# Altium PCB AL115v20_pcb.PcbDoc (part 2 of 2)
Units mm, origin at the board's own origin, x right, y up, seen from the top; angles counter-clockwise.
Board outline 108 x 108 mm, 2 copper layers (Top Layer, Bottom Layer); 126 components, 100 nets, 340 pads, 31 vias.
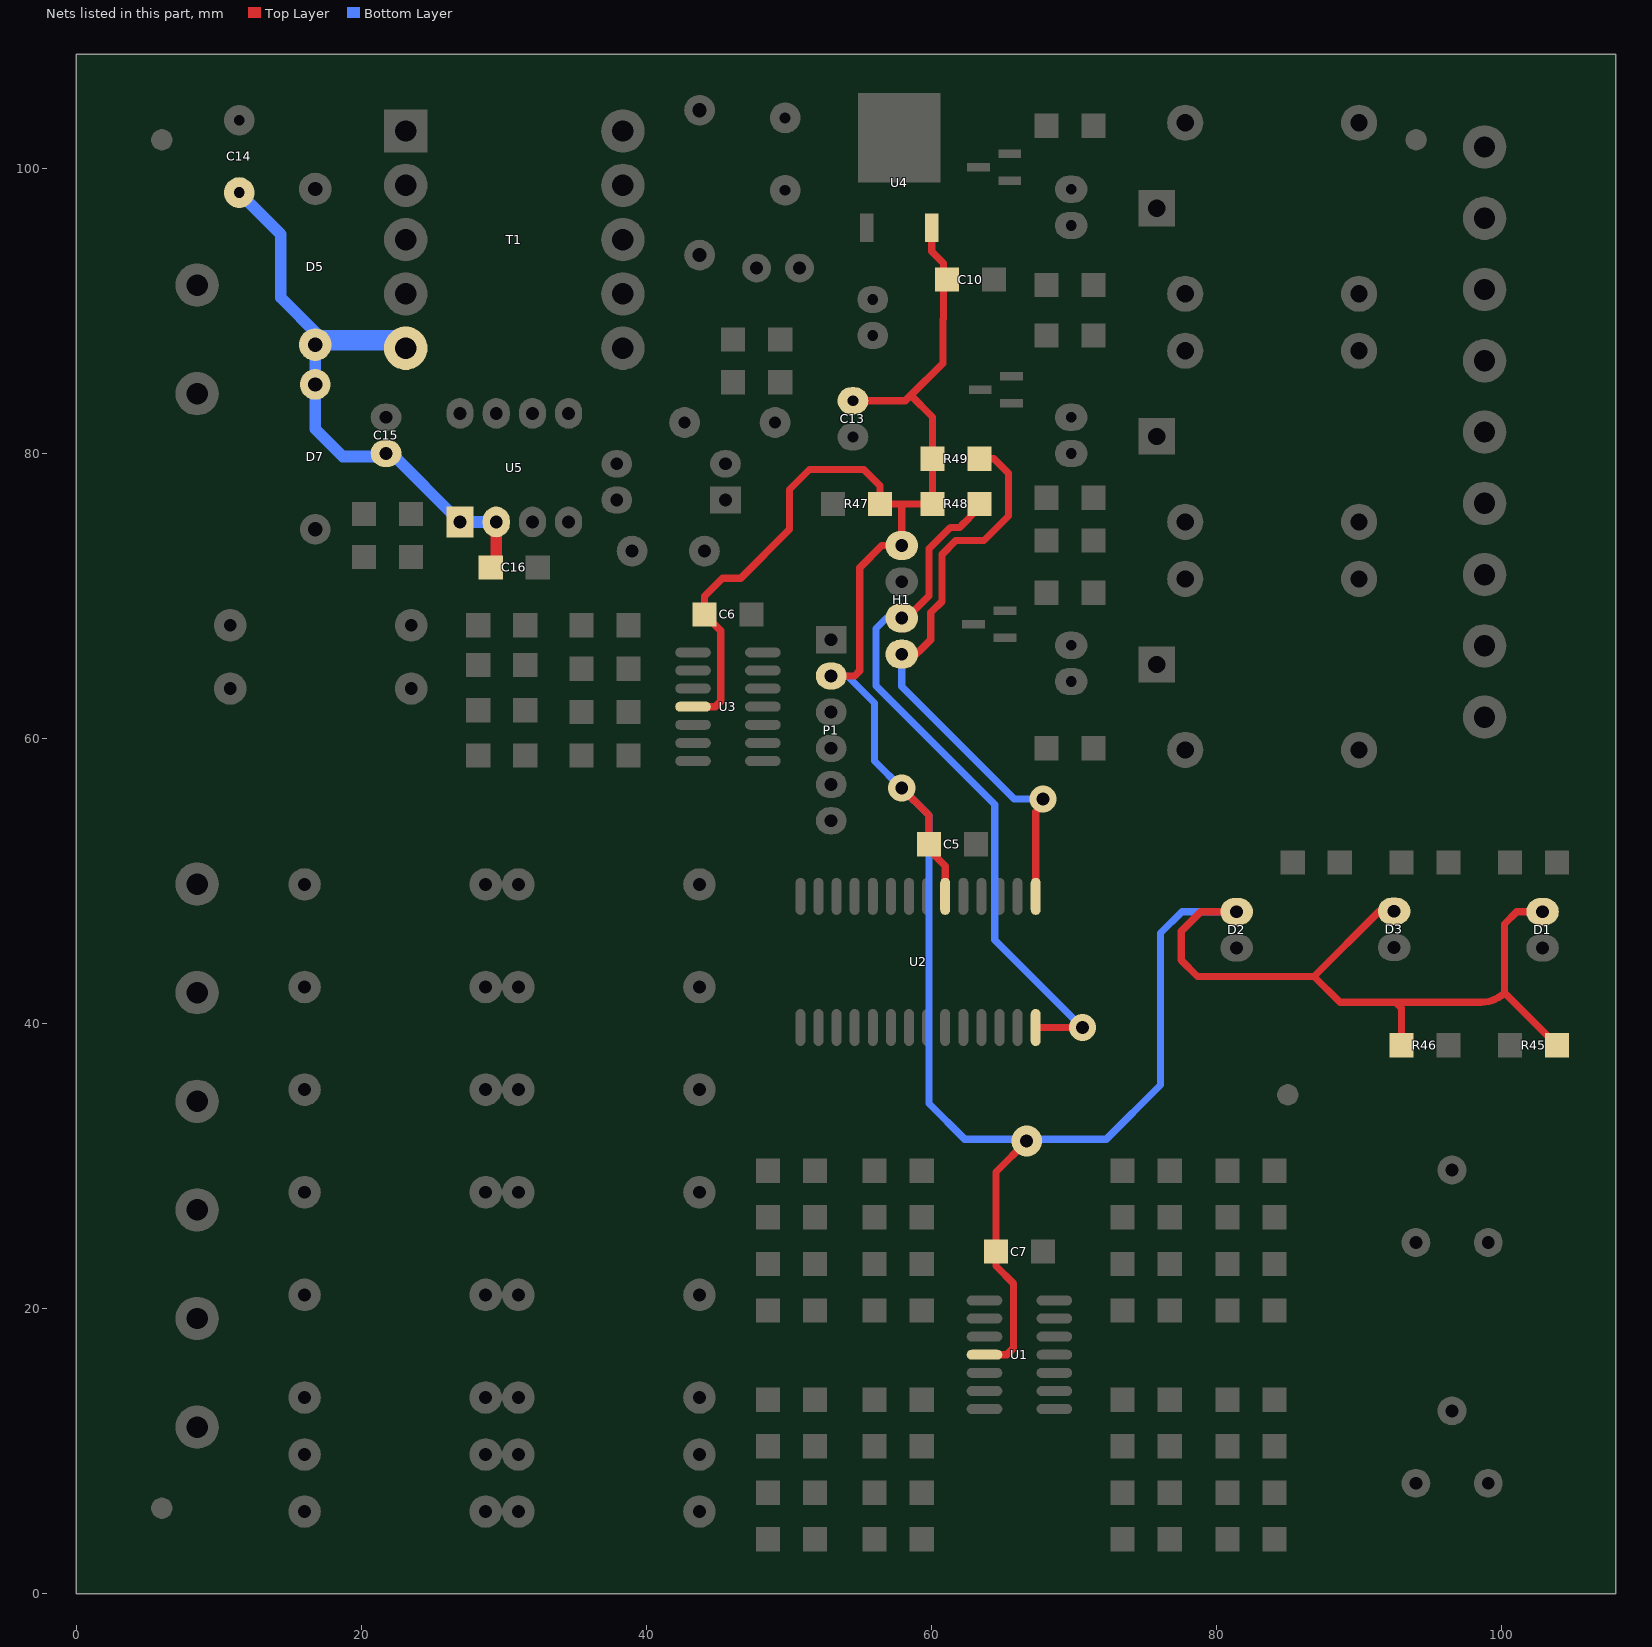
[diagram p2: the nets of this part, all layers, seen from the top]

## Via types
v1: diameter 1.905, hole 0.9, Top Layer to Bottom Layer, 19 vias
v2: diameter 2.159, hole 0.9, Top Layer to Bottom Layer, 12 vias

## Nets (pads, with @x,y where several pads share a name; then routed paths per layer and width w, separated by ;. In a path a pad name is that pad's centre, name@x,y a point inside that pad or via, vN(x,y) a via of type N, cw(c..) or ccw(c..) an arc to the next point about the centre after c; other vN are vias at no path point) (continued)
S: C14.2 C15.2 C16.2 D5.1 D7.1 T1.5 U5.1 U5.2 | length 50.4
  Top Layer w0.813: C16.2@29.08,72 29.46,72.38 U5.2@29.46,75.19
  Bottom Layer w0.813: C14.2@11.298,98.43 C14.2@11.43,98.298 14.351,95.377 14.351,91.095 ccw(c16.891,91.095) 14.357,90.926 17.018,88.265 22.225,88.265 T1.5@23.11,87.38 ccw(c22.506,86.776) 22.506,87.63 D5.1@16.764,87.63 D7.1@16.764,84.836 16.764,81.712 18.694,79.781 21.73,79.781 C15.2@21.73,80 22.11,80 U5.1@26.92,75.19 U5.2@29.46,75.19
SCL: H1.2 R48.2 U2.14 | length 51.1
  Top Layer w0.508: H1.2@58.166,67.691 58.166,68.349 59.83,70.013 59.83,73.31 61.323,74.803 61.963,74.803 ; 62.265,75.105 61.963,74.803 ; R48.2@63.372,76.454 63.372,76.199 61.976,74.803 61.963,74.803 ; U2.14@67.31,39.723 v1(70.584,39.723)
  Bottom Layer w0.508: H1.2@57.912,68.453 56.845,68.453 56.109,67.716 56.109,63.7 64.44,55.369 64.44,45.867 v1(70.584,39.723)
SDA: H1.1 R49.2 U2.15 | length 42.6
  Top Layer w0.508: H1.1@58.166,65.151 59.944,66.929 59.944,68.834 60.744,69.634 60.744,72.931 61.702,73.889 63.678,73.889 65.405,75.616 65.405,78.613 64.389,79.629 R49.2@63.372,79.629 ; U2.15@67.31,48.923 67.31,54.864 67.818,55.372 v1(67.818,55.753)
  Bottom Layer w0.508: H1.1@57.912,65.913 57.912,63.652 65.811,55.753 v1(67.818,55.753)
VCC: C5.2 C6.2 C7.2 C10.2 C13.1 D1.1 D2.1 D3.1 H1.4 P1.2 R45.2 R46.2 R47.1 R48.1 R49.1 U1.4 U2.20 U3.4 U4.3 | length 225.4
  Top Layer w0.508: U3.4@43.27,62.23 44.831,62.23 45.212,62.611 45.212,67.565 C6.2@44.07,68.707 44.07,69.978 45.339,71.247 46.609,71.247 50.038,74.676 50.038,77.47 51.435,78.867 55.245,78.867 56.387,77.725 R47.1@56.387,76.454 57.912,76.454 ; P1.2@52.959,64.389 54.61,64.389 54.966,64.745 54.966,71.984 56.515,73.533 H1.4@57.912,73.533 57.912,76.454 ; C13.1@54.483,83.693 58.166,83.693 58.547,84.074 ; v1(57.912,56.515) 59.818,54.609 C5.2@59.818,52.578 59.818,52.196 60.96,51.054 U2.20@60.96,48.923 ; U4.3@60.015,95.85 60.015,94.163 60.833,93.345 60.833,89.449 60.808,89.424 60.808,86.335 58.547,84.074 ; U1.4@63.717,16.764 65.278,16.764 65.761,17.247 65.761,21.742 64.517,22.986 C7.2@64.517,24 64.517,29.592 v2(66.675,31.75) ; D2.1@81.407,47.848 78.887,47.848 77.521,46.482 77.521,44.45 78.664,43.307 86.843,43.307 ; D3.1@92.456,47.879 91.415,47.879 86.843,43.307 ; R46.2@92.965,38.481 92.965,41.096 92.57,41.491 ; D1.1@102.87,47.848 101.061,47.848 100.203,46.99 100.203,42.164 ; R45.2@103.885,38.481 100.203,42.164 ; 57.912,76.454 R48.1@60.072,76.454 R49.1@60.072,79.629 60.072,82.549 58.547,84.074 ; 86.843,43.307 88.659,41.491 92.57,41.491 ; 92.57,41.491 98.578,41.491 ccw(c98.578,43.789) 100.203,42.164
  Bottom Layer w0.508: P1.2@52.959,64.389 54.102,64.389 56.007,62.484 56.007,58.42 v1(57.912,56.515) 59.817,54.61 59.817,34.384 62.324,31.877 v2@66.802,31.877 ; v2(66.675,31.75) v2@66.802,31.877 ; v2@67.183,32.004 66.929,32.004 v2@66.802,31.877 ; D2.1@81.407,47.848 77.566,47.848 76.073,46.355 76.073,35.687 72.263,31.877 v2@66.802,31.877
pads on no net: FD1. FD2. FD3. FD4. T1.3 T1.6 T1.8 T1.10 U2.6 U2.9 U2.10 U2.11 U2.12
copper on no net: | length 864
  Top Layer w0.254: 0,0 0,108 108,108 108,0 0,0
  Bottom Layer w0.254: 0,0 0,108 108,108 108,0 0,0

## Polygon pours and split planes (outlines as drawn)
AN_EBB on Top Layer "AN_EBB_L01_P208" (solid, remove dead copper, pour order 208): 21 vertices, not listed, extent 67.386,1.905 81.61,4.648
NetR24_1 on Top Layer "NETR24_1_L01_P206" (solid, remove dead copper, pour order 206): 29 vertices, not listed, extent 68.453,3.048 74.193,13.284
NetR24_2 on Top Layer "NETR24_2_L01_P204" (solid, remove dead copper, pour order 204): 36 vertices, not listed, extent 68.617,6.223 77.343,14.529
NetR23_1 on Top Layer "NETR23_1_L01_P202" (solid, remove dead copper, pour order 202): 17 vertices, not listed, extent 76.048,6.248 80.696,10.998
NetR23_1 on Top Layer "NETR23_1_L01_P200" (solid, remove dead copper, pour order 200): 31 vertices, not listed, extent 78.943,1.778 88.697,8.432
NetR31_1 on Top Layer "NETR31_1_L01_P198" (solid, remove dead copper, pour order 198): 34 vertices, not listed, extent 68.199,9.601 81.178,15.799
GND on Top Layer "GND_L01_P196" (solid, remove dead copper, pour order 196): 19 vertices, not listed, extent 83.261,2.997 88.646,14.453
NetR30_2 on Top Layer "NETR30_2_L01_P194" (solid, remove dead copper, pour order 194): 40 vertices, not listed, extent 42.596,0.864 90.043,16.078
AN_EBY on Top Layer "AN_EBY_L01_P192" (solid, remove dead copper, pour order 192): 24 vertices, not listed, extent 51.257,1.854 63.678,4.826
NetR13_1 on Top Layer "NETR13_1_L01_P190" (solid, remove dead copper, pour order 190): 26 vertices, not listed, extent 58.471,3.226 63.551,13.284
NetR12_1 on Top Layer "NETR12_1_L01_P188" (solid, remove dead copper, pour order 188): 77 vertices, not listed, extent 41.453,2.007 56.617,28.169
NetR13_2 on Top Layer "NETR13_2_L01_P186" (solid, remove dead copper, pour order 186): 35 vertices, not listed, extent 55.499,6.299 63.322,14.529
NetR20_1 on Top Layer "NETR20_1_L01_P184" (solid, remove dead copper, pour order 184): 38 vertices, not listed, extent 51.054,9.728 63.717,15.799
GND on Top Layer "GND_L01_P182" (solid, remove dead copper, pour order 182): 21 vertices, not listed, extent 47.676,3.124 55.016,17.196
NetR19_2 on Top Layer "NETR19_2_L01_P180" (solid, remove dead copper, pour order 180): 43 vertices, not listed, extent 43.688,8.661 57.455,18.263
NetR8_2 on Top Layer "NETR8_2_L01_P178" (solid, remove dead copper, pour order 178): 26 vertices, not listed, extent 43.612,13.411 56.363,20.65
NetR9_1 on Top Layer "NETR9_1_L01_P176" (solid, remove dead copper, pour order 176): 63.271,18.313 62.158,18.313 cw(c62.158,20.655) 60.503,18.999 cw(c61.361,19.858) 60.147,19.858 60.147,20.142 ccw(c60.147,18.057) 58.673,19.532 58.649,19.507 ccw(c58.786,19.37) 58.592,19.37 58.592,19.075 58.735,19.075 cw(c58.735,16.647) 60.452,18.364 60.925,17.891 ccw(c61.316,18.281) 61.316,17.729 63.433,17.729 ccw(c63.433,18.076) 63.678,17.831
NetR9_1 on Top Layer "NETR9_1_L01_P174" (solid, remove dead copper, pour order 174): 26 vertices, not listed, extent 51.41,19.075 60.071,23.724
NetR1_1 on Top Layer "NETR1_1_L01_P172" (solid, remove dead copper, pour order 172): 32 vertices, not listed, extent 43.688,22.301 56.286,36.474
NetR2_2 on Top Layer "NETR2_2_L01_P170" (solid, remove dead copper, pour order 170): 37 vertices, not listed, extent 55.423,18.974 63.221,27
NetR2_1 on Top Layer "NETR2_1_L01_P168" (solid, remove dead copper, pour order 168): 28 vertices, not listed, extent 58.496,20.523 64.44,30.124
VCC on Top Layer "VCC_L01_P166" (solid, remove dead copper, pour order 166): 26 vertices, not listed, extent 63.678,16.459 67.462,32.639
GND on Top Layer "GND_L01_P164" (solid, remove dead copper, pour order 164): 23 vertices, not listed, extent 66.421,16.434 69.291,27.965
NetR35_1 on Top Layer "NETR35_1_L01_P162" (solid, remove dead copper, pour order 162): 24 vertices, not listed, extent 68.758,20.269 74.244,30.353
NetR35_2 on Top Layer "NETR35_2_L01_P160" (solid, remove dead copper, pour order 160): 35 vertices, not listed, extent 68.605,18.999 77.216,27.229
NetR42_1 on Top Layer "NETR42_1_L01_P158" (solid, remove dead copper, pour order 158): 35 vertices, not listed, extent 68.605,17.729 81.585,23.952
NetR41_2 on Top Layer "NETR41_2_L01_P156" (solid, remove dead copper, pour order 156): 75.768,17.145 75.768,18.697 cw(c76.375,18.697) 75.946,19.126 ccw(c74.842,20.23) 76.403,20.23 76.403,20.701 81.462,20.701 cw(c81.462,20.528) 81.585,20.65 81.585,19.234 cw(c81.325,19.234) 81.509,19.05 79.366,19.05 ccw(c79.366,17.662) 78.384,18.644 ccw(c79.55,17.478) 77.902,17.478 77.902,17.094 ccw(c77.84,17.033) 77.84,17.12 77.191,17.12
NetR34_1 on Top Layer "NETR34_1_L01_P154" (solid, remove dead copper, pour order 154): 33 vertices, not listed, extent 76.175,22.301 82.702,33.706
AN_DGR_O on Top Layer "AN_DGR_O_L01_P152" (solid, remove dead copper, pour order 152): 26 vertices, not listed, extent 58.115,28.829 81.458,39.268
AN_EBR on Top Layer "AN_EBR_L01_P150" (solid, remove dead copper, pour order 150): 21 vertices, not listed, extent 51.41,28.829 56.921,39.929
AN_EBB on Top Layer "AN_EBB_L01_P148" (solid, remove dead copper, pour order 148): 53.797,34.341 53.797,34.596 cw(c54.838,34.596) 54.102,35.331 ccw(c53.611,35.822) 54.305,35.822 54.305,38.837 cw(c54.673,38.469) 54.673,38.989 54.915,38.989 54.915,36.304 ccw(c56.649,36.304) 55.423,35.077 55.002,34.656 ccw(c55.088,34.569) 54.966,34.569
AN_EBY on Top Layer "AN_EBY_L01_P146" (solid, remove dead copper, pour order 146): 52.629,33.807 52.629,34.405 cw(c54.19,34.405) 53.086,35.509 ccw(c51.737,36.858) 53.645,36.858 53.645,39.298 ccw(c53.471,39.298) 53.594,39.421 53.132,39.421 ccw(c53.132,39.247) 53.01,39.37 53.01,37.039 cw(c51.893,37.039) 52.683,36.249 51.003,34.569 cw(c50.881,34.447) 51.054,34.447 51.054,34.087
SCL on Top Layer "SCL_L01_P144" (solid, remove dead copper, pour order 144): 18 vertices, not listed, extent 67.31,38.786 70.358,40.64
RL_MAINS on Top Layer "RL_MAINS_L01_P142" (solid, remove dead copper, pour order 142): 19 vertices, not listed, extent 65.735,36.525 73.914,39.091
GND on Top Layer "GND_L01_P140" (solid, remove dead copper, pour order 140): 75.235,35.89 ccw(c74.99,35.645) 74.99,35.992 63.167,35.992 cw(c63.167,37.221) 62.298,36.352 cw(c61.613,37.037) 61.613,36.068 61.595,36.068 cw(c61.595,34.903) 62.419,35.727 63.525,34.62 cw(c64.507,33.639) 64.507,35.027 75.184,35.027
GND on Top Layer "GND_L01_P136" (solid, remove dead copper, pour order 136): 56 vertices, not listed, extent 59.36,1.753 97.13,39.723
AN_ADJ_BAT on Top Layer "AN_ADJ_BAT_L01_P134" (solid, remove dead copper, pour order 134): 40 vertices, not listed, extent 53.035,29.489 97.511,49.378
NetR46_1 on Top Layer "NETR46_1_L01_P132" (solid, remove dead copper, pour order 132): 21 vertices, not listed, extent 95.453,23.673 102.032,39.319
AN_ADJ_UV on Top Layer "AN_ADJ_UV_L01_P130" (solid, remove dead copper, pour order 130): 53 vertices, not listed, extent 54.28,12.675 99.593,49.149
NetR45_1 on Top Layer "NETR45_1_L01_P128" (solid, remove dead copper, pour order 128): 21 vertices, not listed, extent 99.009,6.807 104.14,37.694
VCC on Top Layer "VCC_L01_P126" (solid, remove dead copper, pour order 126): 64 vertices, not listed, extent 76.886,37.643 104.724,48.819
NetD1_2 on Top Layer "NETD1_2_L01_P124" (solid, remove dead copper, pour order 124): 20 vertices, not listed, extent 102.768,44.374 105.893,52.146
NetD3_2 on Top Layer "NETD3_2_L01_P122" (solid, remove dead copper, pour order 122): 92.481,46.253 94.224,46.253 ccw(c94.224,47.381) 95.021,46.584 ccw(c94.04,47.565) 95.428,47.565 95.428,50.775 cw(c95.489,50.713) 95.489,50.8 97.079,50.8 97.079,47.026 cw(c94.539,47.026) 96.335,45.23 96.164,45.06 cw(c94.57,46.654) 94.57,44.399 92.456,44.399
NetD2_2 on Top Layer "NETD2_2_L01_P120" (solid, remove dead copper, pour order 120): 81.356,46.228 84.597,46.228 ccw(c84.597,48.768) 86.393,46.972 87.249,47.828 ccw(c85.9,49.177) 87.808,49.177 87.808,50.8 ccw(c87.992,50.984) 87.992,50.724 89.459,50.724 89.459,49.515 cw(c86.919,49.515) 88.715,47.719 86.113,45.118 cw(c84.317,46.914) 84.317,44.374 81.331,44.374
LED_B0 on Top Layer "LED_B0_L01_P118" (solid, remove dead copper, pour order 118): 32 vertices, not listed, extent 59.385,45.441 101.422,54.864
LED_Y0 on Top Layer "LED_Y0_L01_P116" (solid, remove dead copper, pour order 116): 31 vertices, not listed, extent 58.115,44.526 93.777,53.95
LED_R0 on Top Layer "LED_R0_L01_P114" (solid, remove dead copper, pour order 114): 26 vertices, not listed, extent 56.871,43.612 85.369,52.146
GND on Top Layer "GND_L01_P112" (solid, remove dead copper, pour order 112): 28 vertices, not listed, extent 38.557,19.075 49.301,55.677
RL_DG on Top Layer "RL_DG_L01_P110" (solid, remove dead copper, pour order 110): 23 vertices, not listed, extent 63.17,46.355 72.085,54.051
AN_BTSVOLT on Top Layer "AN_BTSVOLT_L01_P108" (solid, remove dead copper, pour order 108): 35 vertices, not listed, extent 41.707,36.601 52.375,56.947
GND on Top Layer "GND_L01_P106" (solid, remove dead copper, pour order 106): 62.535,49.479 62.535,50.94 cw(c63.055,50.94) 62.687,51.308 cw(c63.73,50.266) 63.73,51.74 63.856,51.74 ccw(c62.384,51.74) 63.425,52.78 62.662,53.543 62.299,53.18 cw(c62.255,53.224) 62.255,53.162 62.255,52.393 cw(c61.475,52.393) 62.027,51.841 ccw(c62.149,51.719) 61.976,51.719 61.976,49.892 ccw(c62.236,49.892) 62.052,49.708
SDA on Top Layer "SDA_L01_P104" (solid, remove dead copper, pour order 104): 66.878,55.837 66.878,54.489 ccw(c67.138,54.489) 66.954,54.305 cw(c66.709,54.06) 67.056,54.06 67.056,53.711 cw(c67.264,53.711) 67.117,53.858 67.666,54.407
SDA on Top Layer "SDA_L01_P102" (solid, remove dead copper, pour order 102): 67.056,50.546 67.056,55.122 ccw(c66.883,55.122) 67.005,55.245 cw(c67.312,55.552) 66.878,55.552 66.878,55.88 ccw(c67.001,56.003) 67.001,55.829 68.758,55.829 68.758,55.456 cw(c68.064,55.456) 68.555,54.966 68.359,54.77 ccw(c70.155,52.974) 67.615,52.974 67.615,49.505
RL_BAT2 on Top Layer "RL_BAT2_L01_P100" (solid, remove dead copper, pour order 100): 18 vertices, not listed, extent 65.735,48.692 68.783,60.096
ICSPCLK on Top Layer "ICSPCLK_L01_P098" (solid, remove dead copper, pour order 98): 20 vertices, not listed, extent 50.521,49.632 52.984,57.709
ICSPDAT on Top Layer "ICSPDAT_L01_P096" (solid, remove dead copper, pour order 96): 24 vertices, not listed, extent 49.327,48.133 53.442,59.639
PGM on Top Layer "PGM_L01_P094" (solid, remove dead copper, pour order 94): 56.185,49.352 56.185,52.643 ccw(c54.624,52.643) 55.728,53.746 55.049,54.425 ccw(c53.253,52.629) 53.253,55.169 52.883,55.169 52.883,53.412 ccw(c53.056,53.412) 52.934,53.289 54.246,53.289 cw(c54.246,52.595) 54.737,53.086 54.831,52.992 cw(c53.035,51.196) 55.575,51.196 55.575,48.87
VCC on Top Layer "VCC_L01_P092" (solid, remove dead copper, pour order 92): 22 vertices, not listed, extent 57.252,49.53 61.265,57.48
NetR58_1 on Top Layer "NETR58_1_L01_P090" (solid, remove dead copper, pour order 90): 47 vertices, not listed, extent 22.86,55.753 35.992,64.389
NetR59_1 on Top Layer "NETR59_1_L01_P088" (solid, remove dead copper, pour order 88): 35 vertices, not listed, extent 30.658,56.109 42.799,63.805
NetR52_2 on Top Layer "NETR52_2_L01_P086" (solid, remove dead copper, pour order 86): 17 vertices, not listed, extent 37.897,61.544 42.824,65.761
NetR52_1 on Top Layer "NETR52_1_L01_P084" (solid, remove dead copper, pour order 84): 23 vertices, not listed, extent 35.052,64.059 43.739,68.783
NetR54_2 on Top Layer "NETR54_2_L01_P082" (solid, remove dead copper, pour order 82): 40 vertices, not listed, extent 23.495,61.138 35.458,70.155
GND on Top Layer "GND_L01_P080" (solid, remove dead copper, pour order 80): 17 vertices, not listed, extent 25.019,57.963 29.058,68.275
M\C\L\R\ on Top Layer "M\C\L\R\_L01_P078" (solid, remove dead copper, pour order 78): 54.026,66.015 54.026,67.894 cw(c54.271,68.139) 53.924,68.139 53.924,76.302 52.432,76.302 cw(c52.432,76.562) 52.248,76.378 cw(c51.88,76.01) 52.4,76.01 52.4,68.014 cw(c50.579,68.014) 51.867,66.726 cw(c51.828,66.687) 51.883,66.687 51.883,65.986
M\C\L\R\ on Top Layer "M\C\L\R\_L01_P076" (solid, remove dead copper, pour order 76): 30 vertices, not listed, extent 47.879,40.107 52.603,77.14
VCC on Top Layer "VCC_L01_P074" (solid, remove dead copper, pour order 74): 43.078,61.874 44.481,61.874 ccw(c44.481,63.088) 45.339,62.23 ccw(c44.971,62.598) 45.491,62.598 45.491,67.448 ccw(c44.537,67.448) 45.212,68.123 44.859,67.77 ccw(c44.99,67.64) 44.806,67.64 cw(c44.438,67.272) 44.958,67.272 44.958,62.897 cw(c44.698,62.897) 44.882,62.713 cw(c44.514,63.081) 44.514,62.56 43.891,62.56 ccw(c43.891,62.438) 43.804,62.524 43.637,62.357
GND on Top Layer "GND_L01_P072" (solid, remove dead copper, pour order 72): 29 vertices, not listed, extent 45.999,61.874 49.733,71.806
AN_BTSVOLT on Top Layer "AN_BTSVOLT_L01_P070" (solid, remove dead copper, pour order 70): 34.773,70.764 cw(c33.362,70.764) 34.36,69.767 33.985,69.393 cw(c32.575,70.803) 32.575,68.809 31.75,68.809 31.75,67.94 cw(c30.536,67.94) 31.394,67.081 cw(c31.456,67.02) 31.456,67.107 35.382,67.107 ccw(c35.382,68.027) 36.033,67.376 36.271,67.615 36.271,69.552 cw(c37.052,69.552) 36.5,70.104 36.23,70.374 cw(c36.62,70.764) 36.068,70.764
NetC16_1 on Top Layer "NETC16_1_L01_P068" (solid, remove dead copper, pour order 68): 31.547,71.628 31.547,73.726 ccw(c30.419,73.726) 31.217,74.524 ccw(c31.094,74.646) 31.267,74.646 31.267,75.133 32.576,75.133 ccw(c32.576,75.654) 32.944,75.286 32.944,73.522 ccw(c33.898,73.522) 33.223,72.847 33.161,72.785 ccw(c33.377,72.568) 33.071,72.568
S on Top Layer "S_L01_P066" (solid, remove dead copper, pour order 66): 28.245,72.187 ccw(c26.466,72.187) 27.724,73.444 27.686,73.482 ccw(c26.153,71.949) 26.153,74.117 25.984,74.117 25.984,76.215 cw(c26.071,76.215) 26.01,76.276 29.447,76.276 cw(c29.447,75.929) 29.693,76.175 29.693,74.701 ccw(c30.254,74.14) 29.46,74.14 29.46,72.38
S on Top Layer "S_L01_P064" (solid, remove dead copper, pour order 64): 28.524,75.286 28.524,73.916 cw(c28.091,73.916) 28.397,73.609 ccw(c28.765,73.241) 28.245,73.241 28.245,72.542 29.86,72.542 ccw(c29.86,72.629) 29.921,72.568 29.921,73.691 cw(c31.135,73.691) 30.277,74.549
NetD6_2 on Top Layer "NETD6_2_L01_P062" (solid, remove dead copper, pour order 62): 19.38,73.584 19.921,73.584 ccw(c19.921,75.405) 21.209,74.117 22.039,74.947 ccw(c20.608,76.378) 22.631,76.378 22.65,76.359 ccw(c23.647,77.356) 23.647,75.946 23.647,74.905 ccw(c23.647,72.636) 22.043,74.24 21.67,73.867 ccw(c23.275,72.263) 21.006,72.263 ccw(c20.638,71.895) 20.638,72.415 20.091,72.415
NetC15_1 on Top Layer "NETC15_1_L01_P060" (solid, remove dead copper, pour order 60): 35 vertices, not listed, extent 21.666,72.034 35.458,83.464
NetD6_1 on Top Layer "NETD6_1_L01_P058" (solid, remove dead copper, pour order 58): 28 vertices, not listed, extent 18.11,75.159 23.114,92.431
NetR63_1 on Top Layer "NETR63_1_L01_P056" (solid, remove dead copper, pour order 56): 37 vertices, not listed, extent 43.205,75.768 46.152,88.849
NetD8_2 on Top Layer "NETD8_2_L01_P054" (solid, remove dead copper, pour order 54): 20 vertices, not listed, extent 44.78,78.359 50.114,85.496
NetC11_1 on Top Layer "NETC11_1_L01_P052" (solid, remove dead copper, pour order 52): 46.736,93.066 46.736,92.248 ccw(c47.95,92.248) 47.092,91.389 47.795,90.685 cw(c45.999,88.889) 48.539,88.889 48.539,84.557 cw(c49.153,83.943) 49.153,84.811 50.216,84.811 50.216,88.618 ccw(c48.308,88.618) 49.657,89.967 49.487,90.137 cw(c51.283,91.933) 48.743,91.933 48.743,93.04 cw(c48.646,93.137) 48.646,93 47.73,93
NetD13_1 on Top Layer "NETD13_1_L01_P050" (solid, remove dead copper, pour order 50): 19 vertices, not listed, extent 69.596,59.233 72.415,67.462
RL_BAT on Top Layer "RL_BAT_L01_P048" (solid, remove dead copper, pour order 48): 37 vertices, not listed, extent 64.465,57.328 72.212,70.46
NetQ3_1 on Top Layer "NETQ3_1_L01_P046" (solid, remove dead copper, pour order 46): 64.389,67.335 65.389,67.335 ccw(c65.389,68.723) 66.37,67.742 66.49,67.861 ccw(c64.694,69.658) 67.234,69.658 67.234,69.901 cw(c68.215,68.92) 68.215,70.307 68.91,70.307 68.91,69.466 cw(c68.303,69.466) 68.732,69.037 66.623,66.928 cw(c66.197,67.354) 66.197,66.751 64.833,66.751 cw(c64.833,67.272) 64.465,66.904
RL_DG on Top Layer "RL_DG_L01_P044" (solid, remove dead copper, pour order 44): 62.408,71.323 ccw(c62.408,72.243) 63.058,71.593 66.795,75.329 cw(c68.591,73.533) 68.591,76.073 68.783,76.073 ccw(c67.005,76.073) 68.262,77.33 67.97,77.622 cw(c67.664,77.929) 67.664,77.495 67.234,77.495 67.234,77.403 cw(c65.066,77.403) 66.599,75.87 64.676,73.947 cw(c62.88,75.743) 62.88,73.203 62.357,73.203
NetD14_1 on Top Layer "NETD14_1_L01_P042" (solid, remove dead copper, pour order 42): 37 vertices, not listed, extent 64.516,57.937 77.902,74.371
NetD14_1 on Top Layer "NETD14_1_L01_P040" (solid, remove dead copper, pour order 40): 18 vertices, not listed, extent 62.154,62.941 64.084,68.072
NetD12_1 on Top Layer "NETD12_1_L01_P038" (solid, remove dead copper, pour order 38): 19 vertices, not listed, extent 69.799,76.048 72.288,83.49
NetD12_2 on Top Layer "NETD12_2_L01_P036" (solid, remove dead copper, pour order 36): 64.821,83.337 ccw(c66.599,83.337) 65.342,82.08 67.633,79.789 ccw(c69.429,81.585) 69.429,79.045 69.825,79.045 69.825,80.888 cw(c69.911,80.888) 69.85,80.95 68.052,80.95 cw(c68.052,82.251) 67.132,81.331 cw(c68.911,83.109) 66.396,83.109 66.396,83.337
GND on Top Layer "GND_L01_P034" (solid, remove dead copper, pour order 34): 19 vertices, not listed, extent 63.322,85.42 66.421,88.57
NetD11_1 on Top Layer "NETD11_1_L01_P032" (solid, remove dead copper, pour order 32): 53 vertices, not listed, extent 62.408,73.939 77.826,89.662
RL_MAINS on Top Layer "RL_MAINS_L01_P030" (solid, remove dead copper, pour order 30): 30 vertices, not listed, extent 60.782,82.474 68.58,92.608
+12 on Top Layer "+12_L01_P028" (solid, remove dead copper, pour order 28): 51 vertices, not listed, extent 71.12,69.926 81.636,104.47
NetD10_2 on Top Layer "NETD10_2_L01_P026" (solid, remove dead copper, pour order 26): 66.294,99.009 66.294,98.71 ccw(c67.595,98.71) 66.675,97.79 66.769,97.696 ccw(c68.565,99.492) 68.565,96.952 69.799,96.952 69.799,95.047 67.956,95.047 cw(c67.956,97.587) 66.16,95.791 65.438,96.513 cw(c67.234,98.309) 64.694,98.309 64.694,99.085
NetD10_1 on Top Layer "NETD10_1_L01_P024" (solid, remove dead copper, pour order 24): 72.212,91.618 72.212,97.297 ccw(c69.672,97.297) 71.468,99.093 71.45,99.111 ccw(c70.53,98.191) 70.53,99.492 69.596,99.492 cw(c69.289,99.185) 69.723,99.185 69.723,97.587 70.664,97.587 cw(c70.664,96.546) 71.399,97.282 cw(c70.848,96.73) 71.628,96.73 71.628,94.032 cw(c70.154,94.032) 71.196,92.989 71.099,92.893 cw(c70.536,93.456) 70.536,92.659
NetD9_1 on Top Layer "NETD9_1_L01_P022" (solid, remove dead copper, pour order 22): 62.967,102.591 62.967,103.073 cw(c65.482,103.073) 63.703,104.851 63.401,105.153 ccw(c63.271,105.023) 63.271,105.207 cw(c62.965,105.207) 63.182,104.99 62.459,104.267 ccw(c62.704,104.022) 62.357,104.022 62.357,103.353
NetD9_1 on Top Layer "NETD9_1_L01_P020" (solid, remove dead copper, pour order 20): 59 vertices, not listed, extent 61.874,89.941 77.826,105.689
GND on Top Layer "GND_L01_P018" (solid, remove dead copper, pour order 18): 64.694,100.711 64.694,101.565 ccw(c63.566,101.565) 64.364,102.362 64.116,102.609 cw(c65.114,103.607) 63.703,103.607 65.46,103.607 ccw(c65.46,103.78) 65.583,103.657 65.583,103.325 ccw(c66.19,103.325) 65.761,102.895 cw(c64.473,101.608) 66.294,101.608 66.294,100.914 66.116,100.914
SDA on Top Layer "SDA_L01_P016" (solid, remove dead copper, pour order 16): 43 vertices, not listed, extent 57.785,64.922 65.811,80.467
SCL on Top Layer "SCL_L01_P014" (solid, remove dead copper, pour order 14): 30 vertices, not listed, extent 57.836,68.224 64.211,76.251
GND on Top Layer "GND_L01_P012" (solid, remove dead copper, pour order 12): 66 vertices, not listed, extent 52.908,52.654 66.954,72.009
GND on Top Layer "GND_L01_P010" (solid, remove dead copper, pour order 10): 30 vertices, not listed, extent 51.41,79.858 59.487,90.449
VCC on Top Layer "VCC_L01_P008" (solid, remove dead copper, pour order 8): 27 vertices, not listed, extent 52.934,63.449 60.909,78.232
VCC on Top Layer "VCC_L01_P006" (solid, remove dead copper, pour order 6): 80 vertices, not listed, extent 43.205,66.269 61.925,96.139
+12 on Top Layer "+12_L01_P004" (solid, remove dead copper, pour order 4): 22 vertices, not listed, extent 49.936,89.84 56.972,95.961
GND on Top Layer "GND_L01_P002" (solid, pour order 2): 40.818,105.726 40.818,97.877 ccw(c43.358,97.877) 41.562,96.081 41.905,95.738 43.708,95.738 ccw(c43.708,96.292) 44.1,95.9 44.256,96.056 ccw(c42.46,97.852) 45,97.852 45,102 43.607,102 cw(c43.607,103.707) 42.4,102.5 cw(c43.583,103.683) 41.91,103.683 41.91,104.435 cw(c43.037,104.435) 42.24,105.232
GND on Top Layer "GND_L01_P000" (solid, remove dead copper, pour order 0): 105 vertices, not listed, extent 38.252,55.321 87.757,107
AN_EBB on Bottom Layer "AN_EBB_L02_P278" (solid, remove dead copper, pour order 278): 26 vertices, not listed, extent 51.714,3.988 69.088,34.519
GND on Bottom Layer "GND_L02_P276" (solid, remove dead copper, pour order 276): 44 vertices, not listed, extent 53.086,5.817 95.809,28.372
AN_EBY on Bottom Layer "AN_EBY_L02_P272" (solid, remove dead copper, pour order 272): 21 vertices, not listed, extent 50.368,3.912 62.789,34.849
NetR23_1 on Bottom Layer "NETR23_1_L02_P270" (solid, remove dead copper, pour order 270): 26 vertices, not listed, extent 43.688,2.159 88.443,22.047
NetR41_2 on Bottom Layer "NETR41_2_L02_P268" (solid, remove dead copper, pour order 268): 25 vertices, not listed, extent 43.713,17.094 77.902,43.688
NetR34_1 on Bottom Layer "NETR34_1_L02_P266" (solid, remove dead copper, pour order 266): 19 vertices, not listed, extent 43.536,29.743 79.426,50.902
GND on Bottom Layer "GND_L02_P264" (solid, remove dead copper, pour order 264): 65.888,62.916 69.646,62.916 ccw(c69.646,64.39) 70.688,63.348 70.389,63.647 cw(c71.69,64.948) 69.85,64.948 65.974,64.948 cw(c65.974,65.035) 65.913,64.973
NetD14_1 on Bottom Layer "NETD14_1_L02_P262" (solid, remove dead copper, pour order 262): 62.459,63.856 62.459,66.436 cw(c64.999,66.436) 63.203,68.232 63.703,68.732 ccw(c62.048,70.388) 64.389,70.388 64.389,71.907 66.095,71.907 cw(c66.095,71.734) 66.218,71.857 66.218,70.109 cw(c64.917,70.109) 65.837,69.19 65.006,68.359 ccw(c66.802,66.563) 64.262,66.563 64.262,63.856
RL_DG on Bottom Layer "RL_DG_L02_P260" (solid, remove dead copper, pour order 260): 28 vertices, not listed, extent 61.417,53.67 72.187,73.203
RL_MAINS on Bottom Layer "RL_MAINS_L02_P258" (solid, remove dead copper, pour order 258): 34 vertices, not listed, extent 60.071,37.389 74.854,83.236
SDA on Bottom Layer "SDA_L02_P256" (solid, remove dead copper, pour order 256): 56.82,65.938 56.82,65.365 ccw(c59.36,65.365) 57.564,63.569 65.575,55.557 ccw(c67.372,57.353) 67.372,54.813 67.92,54.813 67.92,56.57 ccw(c67.746,56.57) 67.869,56.693 65.838,56.693 cw(c65.838,58.167) 64.795,57.125 59.774,62.146 cw(c61.57,63.943) 59.03,63.943 59.03,65.989 ccw(c58.784,65.744) 58.784,66.091 57.023,66.091
SCL on Bottom Layer "SCL_L02_P254" (solid, remove dead copper, pour order 254): 26 vertices, not listed, extent 55.855,38.887 71.298,69.444
GND on Bottom Layer "GND_L02_P252" (solid, remove dead copper, pour order 252): 29 vertices, not listed, extent 57.81,33.96 68.682,60.071
VCC on Bottom Layer "VCC_L02_P250" (solid, remove dead copper, pour order 250): 55 vertices, not listed, extent 52.934,30.734 81.458,65.329
EBN on Bottom Layer "EBN_L02_P248" (solid, remove dead copper, pour order 248): 8.331,13.183 12.918,13.183 ccw(c12.918,15.723) 14.714,13.927 14.91,14.122 16.654,14.122 cw(c16.654,13.429) 17.145,13.919 17.145,5.736 cw(c16.972,5.736) 17.094,5.613 ccw(c16.788,5.307) 16.788,5.74 14.884,5.74 14.884,7.762 ccw(c12.344,7.762) 14.14,9.558 14.097,9.601 ccw(c12.625,8.129) 12.625,10.211 8.484,10.211
EBB on Bottom Layer "EBB_L02_P246" (solid, remove dead copper, pour order 246): 15.748,22.073 8.077,20.803 8.712,17.78 16.485,19.914
EBY on Bottom Layer "EBY_L02_P244" (solid, remove dead copper, pour order 244): 8.433,28.423 15.951,29.286 16.408,27.178 8.611,25.425
EBR on Bottom Layer "EBR_L02_P242" (solid, remove dead copper, pour order 242): 8.407,36.017 15.824,36.449 16.129,34.315 8.534,33.045
DGN on Bottom Layer "DGN_L02_P240" (solid, remove dead copper, pour order 240): 8.306,43.663 16.053,43.688 16.002,41.453 8.433,40.665
DGR on Bottom Layer "DGR_L02_P238" (solid, remove dead copper, pour order 238): 8.458,51.232 16.027,50.902 16.027,48.641 8.484,48.285
NetC15_1 on Bottom Layer "NETC15_1_L02_P236" (solid, remove dead copper, pour order 236): 33.655,75.057 33.655,76.154 cw(c34.869,76.154) 34.011,77.013 cw(c35.421,75.602) 35.421,77.597 37.897,77.597 37.897,76.223 ccw(c38.504,76.223) 38.075,75.794 35.979,75.794 ccw(c35.979,75.273) 35.611,75.641 ccw(c35.917,75.335) 35.484,75.335 35.484,75.286 cw(c34.748,76.021) 34.748,74.981 34.747,74.981
NetC16_1 on Bottom Layer "NETC16_1_L02_P234" (solid, remove dead copper, pour order 234): 37.922,80.213 35.342,80.213 ccw(c35.342,77.673) 33.546,79.469 31.783,77.706 ccw(c33.579,75.91) 31.039,75.91 31.039,75.057 32.699,75.057 ccw(c32.699,75.404) 32.944,75.159 32.944,76.589 cw(c34.765,76.589) 33.477,77.876 cw(c34.642,76.711) 34.642,78.359 37.948,78.359
D on Bottom Layer "D_L02_P232" (solid, remove dead copper, pour order 232): 22.987,97.333 16.56,97.333 cw(c16.56,98.373) 15.824,97.638 15.708,97.754 cw(c16.532,98.577) 15.367,98.577 15.367,98.633 cw(c16.581,98.633) 15.723,99.492 15.891,99.66 cw(c16.281,99.27) 16.281,99.822 22.747,99.822 cw(c22.747,98.261) 23.851,99.365 24.325,98.891 cw(c22.894,97.46) 24.917,97.46
D on Bottom Layer "D_L02_P230" (solid, remove dead copper, pour order 230): 32 vertices, not listed, extent 16.281,80.924 35.535,100.305
S on Bottom Layer "S_L02_P228" (solid, remove dead copper, pour order 228): 44 vertices, not listed, extent 9.627,72.974 30.378,99.593
-VIN on Bottom Layer "-VIN_L02_P226" (solid, remove dead copper, pour order 226): 19 vertices, not listed, extent 7.061,66.751 18.39,85.725
+VIN on Bottom Layer "+VIN_L02_P224" (solid, remove dead copper, pour order 224): 77 vertices, not listed, extent 1.981,52.578 44.882,106.401
AN_BTSVOLT on Bottom Layer "AN_BTSVOLT_L02_P222" (solid, remove dead copper, pour order 222): 19 vertices, not listed, extent 34.773,55.956 42.037,70.587
GND on Bottom Layer "GND_L02_P220" (solid, remove dead copper, pour order 220): 65 vertices, not listed, extent 24.994,53.975 53.086,92.634
+12 on Bottom Layer "+12_L02_P218" (solid, remove dead copper, pour order 218): 41 vertices, not listed, extent 49.733,85.242 77.902,104.47
GND on Bottom Layer "GND_L02_P216" (solid, remove dead copper, pour order 216): 43 vertices, not listed, extent 48.438,86.817 66.904,105.715
NetC11_1 on Bottom Layer "NETC11_1_L02_P214" (solid, remove dead copper, pour order 214): 30 vertices, not listed, extent 42.062,92.812 51.232,105.562
NetD4_1 on Bottom Layer "NETD4_1_L02_P212" (solid, remove dead copper, pour order 212): 42.672,93.955 42.672,94.528 ccw(c40.132,94.528) 41.928,96.324 41.689,96.563 ccw(c39.893,94.767) 39.893,97.307 38.354,97.307 cw(c38.538,97.491) 38.278,97.491 38.278,100.33 39.918,100.33 cw(c39.918,97.79) 41.714,99.586 42.596,98.704
NetD4_1 on Bottom Layer "NETD4_1_L02_P210" (solid, remove dead copper, pour order 210): 38.329,97.561 39.359,97.561 cw(c39.359,95.021) 41.155,96.817 41.928,96.045 cw(c40.132,94.249) 42.672,94.249 42.672,93.955 44.622,93.955 cw(c44.622,93.694) 44.806,93.878 44.806,95.468 ccw(c42.266,95.468) 44.062,97.264 42.019,99.307 ccw(c40.223,97.511) 40.223,100.051 38.252,100.051
GND on Bottom Layer "GND_L02_P280" (solid, remove dead copper, pour order 280): 21 vertices, not listed, extent 45.822,67.905 59.055,82.093
GND on Bottom Layer "GND_L02_P284" (solid, remove dead copper, pour order 284): 19 vertices, not listed, extent 46.101,72.085 57.633,82.093
GND on Bottom Layer "GND_L02_P286" (solid, pour order 286): 71 vertices, not listed, extent 55.764,50.597 98.603,84.684
GND on Bottom Layer "GND_L02_P288" (solid, remove dead copper, pour order 288): 27 vertices, not listed, extent 44.171,44.145 57.785,61.976
GND on Bottom Layer "GND_L02_P290" (solid, remove dead copper, pour order 290): 63 vertices, not listed, extent 70.993,20.701 106.909,59.106
GND on Bottom Layer "GND_L02_P292" (solid, pour order 292): 54 vertices, not listed, extent 78.207,41.021 105.385,54.483
GND on Bottom Layer "GND_L02_P294" (solid, remove dead copper, pour order 294): 61 vertices, not listed, extent 87.452,0.965 106.909,35.154
GND on Bottom Layer "GND_L02_P296" (solid, remove dead copper, pour order 296): 53 vertices, not listed, extent 93.853,6.426 102.768,27.28
GND on Bottom Layer "GND_L02_P298" (solid, pour order 298): 21 vertices, not listed, extent 94.262,9.652 99.466,14.783
GND on Bottom Layer "GND_L02_P300" (solid, pour order 300): 31 vertices, not listed, extent 95.707,4.216 102.591,10.592
no net on Bottom Solder "NONET_L-01_P-001" (solid): 31.801,55.397 31.911,55.508 cw(c32.258,55.161) 32.258,55.651 cw(c32.258,55.59) 32.301,55.633 34.333,53.601 ccw(c36.13,55.397) 36.13,52.857 36.195,52.857 36.195,52.701 ccw(c36.368,52.701) 36.246,52.578 35.539,52.578 cw(c35.539,54.919) 33.884,53.264 31.819,55.329 cw(c31.862,55.372) 31.801,55.372

## Other copper
Top Layer:
  text "SIMCONS" at 35,87 h4 r90
  text "AL115v2.0" at 106.096,73.025 h4 r90
  text "TOP LAYER CU" at 114.375,13.7 h1.52
Bottom Layer:
  rectangle net NetR29_2: 28.702,4.623 31.14,6.883
  rectangle net NetR18_2: 28.651,8.636 31.14,10.897
  rectangle net NetR7_2: 28.651,12.624 31.14,14.884
  rectangle net NetR25_2: 28.651,19.837 31.14,22.098
  rectangle net NetR14_2: 28.677,27.026 31.14,29.286
  rectangle net NetR3_2: 28.626,34.239 31.064,36.5
  rectangle net NetR40_2: 28.651,41.427 31.115,43.688
  rectangle net NetR36_2: 28.702,48.641 31.013,50.851
  text "SIMCONS AL115 v2.0" at 106.607,99.26 h3.56 r90
  text "MADE IN /  INDIA" at 86.487,76.606 h2.03 r90
  text "BOTTOM LAYER CU" at 114.375,1.127 h1.52

## Silkscreen, mask and mechanical layers (free items; w line width, h text height)
Top Overlay:
  lines w0.254: 103.5,104 108,104 108,103.975 108,103.9 ; 103.6,89 108,89 ; 103.8,59 108,59 ; 103.8,74 108,74 108,73.975 108,73.9 ; 105.9,64 108,64 ; 105.9,69 108,69 ; 105.9,79 108,79 ; 105.9,84 108,84 ; 105.9,94 108,94 ; 105.9,99 108,99 ; 105.9,104 105.9,64.6 105.9,59 ; 108,58.9 108,58.975 ; 108,79.8 108,79.9 ; 108,88.9 108,88.975 ; 108,93.6 108,93.7 ; 105.9,59 105.9,59 ; 0,0 0,108 108,108 108,0 0,0
  lines w0.406: 9.2,7.874 13.976,7.874
  text "3NC" at 107.5,99.703 h2.1 r90
  text "3C" at 107.5,95.382 h2.1 r90
  text "MAINS FAIL" at 105.5,91.218 h2.1 r90
  text "+" at 0.508,90.932 h3.5
  text "48V" at 0.635,90.297 h2.54 r270
  text "3NO" at 107.5,89.641 h2.1 r90
  text "2NC" at 107.502,84.692 h2.1 r90
  text "-" at 2.591,83.058 h4 r90
  text "2C" at 107.502,80.371 h2.1 r90
  text "DG ON" at 105.5,78.564 h2.1 r90
  text "2NO" at 107.5,74.63 h2.1 r90
  text "1NO" at 107.5,69.681 h2.1 r90
  text "1C" at 107.502,65.422 h2.1 r90
  text "BAT LOW" at 105.5,62.187 h2.1 r90
  text "1NC" at 107.502,59.743 h2.1 r90
  text "SIMCONS CONTROL SYSTEMS" at 73.279,54.94 h2.54
  text "AL115v2.0" at 6.096,54.889 h5.08 r90
  text "DGR" at 0.765,51.506 h2.29 r270
  text "DGN" at 0.765,43.813 h2.29 r270
  text "R" at 80.137,40.894 h3.81
  text "Y" at 91.186,40.894 h3.81
  text "B" at 101.727,40.894 h3.81
  text "M R" at 0.738,35.872 h2.29 r270
  text "150" at 91.529,33.836 h3.3
  text "170" at 98.133,33.833 h3.3
  text "130" at 86.525,28.55 h3.3
  text "190" at 102.857,28.55 h3.3
  text "M Y" at 0.738,28.204 h2.29 r270
  text "MAINS UV" at 90.632,20.813 h2.54
  text "MB" at 0.738,20.305 h2.29 r270
  text "48" at 91.935,16.754 h3.3
  text "50" at 98.514,16.757 h3.3
  text "MN" at 0.738,12.654 h2.29 r270
  text "46" at 87.37,11.696 h3.3
  text "52" at 102.991,11.699 h3.3
  text "TOP LEGEND" at 114.375,10.557 h1.52
  text "LOW BAT" at 91.233,3.916 h2.54
Top Paste:
  the board outline again, w0.254
Top Solder:
  text "TOP SOLDER" at 114.375,7.414 h1.52
Bottom Solder:
  text "BOTTOM SOLDER" at 114.375,4.27 h1.52